# Altium PCB pay-optical-tls2591.PcbDoc (part 2 of 4) (continued)
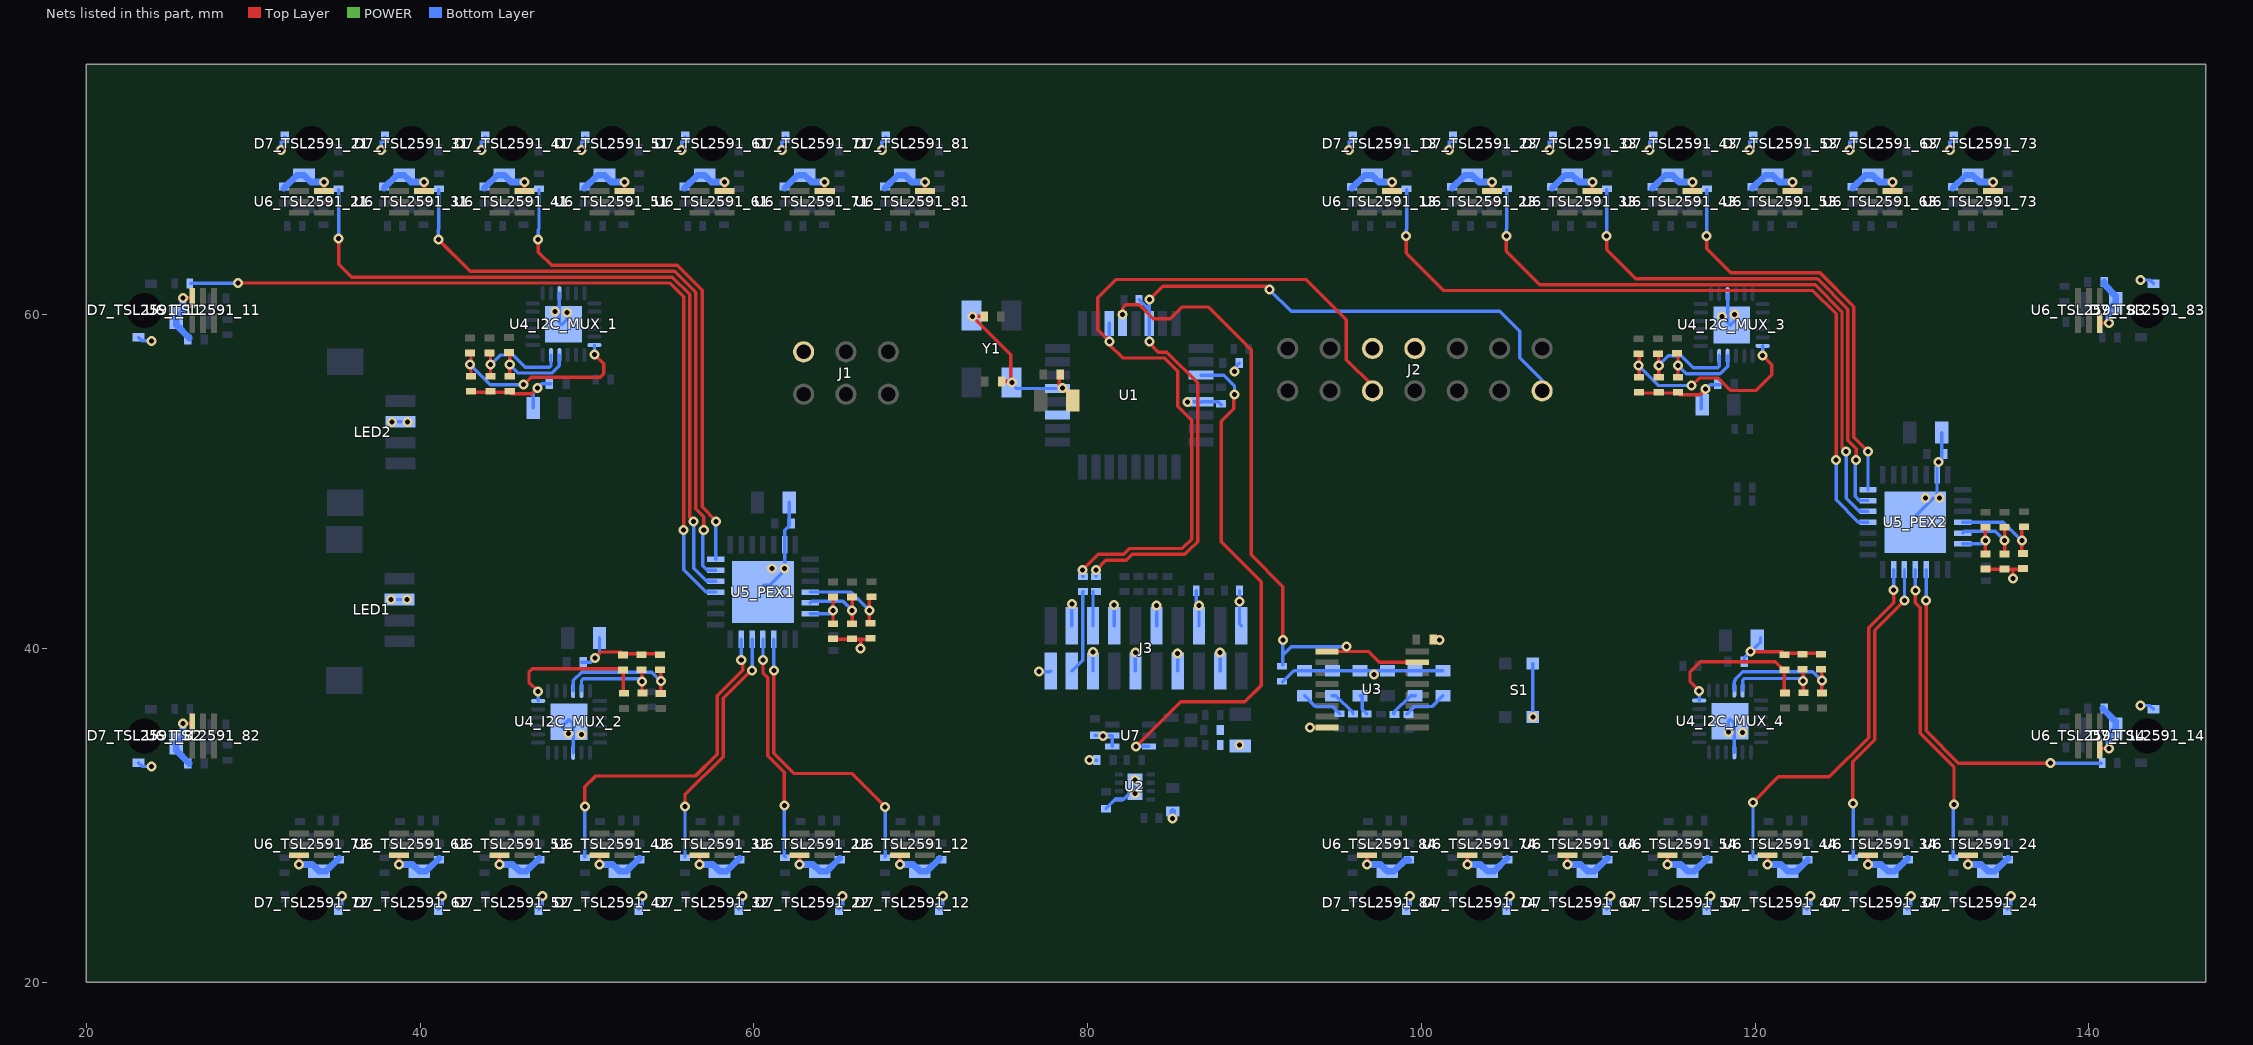
[diagram p4: the nets of this part, all layers, seen from the top]
## Nets (pads, with @x,y where several pads share a name; then routed paths per layer and width w, separated by ;. In a path a pad name is that pad's centre, name@x,y a point inside that pad or via, vN(x,y) a via of type N, cw(c..) or ccw(c..) an arc to the next point about the centre after c; other vN are vias at no path point)
A0_I2C_MUX_1: R41_I2C_MUX_1.1 R44_I2C_MUX_1.2 U4_I2C_MUX_1.22 | length 5.5
  Top Layer w0.2: R44_I2C_MUX_1.2@45.375,56.35 v1(45.375,57) 45.375,57.775 R41_I2C_MUX_1.1@45.4,57.8
  Bottom Layer w0.2: v1(45.375,57) 45.877,56.498 47.898,56.498 48.35,56.95 U4_I2C_MUX_1.22@48.35,57.574
A0_I2C_MUX_2: R41_I2C_MUX_2.1 R44_I2C_MUX_2.2 U4_I2C_MUX_2.22 | length 7.7
  Top Layer w0.2: R44_I2C_MUX_2.2@54.373,38.726 54.424,38.676 v1(54.424,38.038) R41_I2C_MUX_2.1@54.424,37.401
  Bottom Layer w0.2: U4_I2C_MUX_2.22@49.175,37.452 49.175,38.076 49.678,38.579 53.884,38.579 v1(54.424,38.038)
A0_I2C_MUX_3: R41_I2C_MUX_3.1 R44_I2C_MUX_3.2 U4_I2C_MUX_3.22 | length 5.5
  Top Layer w0.2: R44_I2C_MUX_3.2@115.375,56.303 v1(115.375,56.953) 115.375,57.728 R41_I2C_MUX_3.1@115.399,57.753
  Bottom Layer w0.2: v1(115.375,56.953) 115.877,56.451 117.898,56.451 118.349,56.903 U4_I2C_MUX_3.22@118.349,57.527
A0_I2C_MUX_4: R41_I2C_MUX_4.1 R44_I2C_MUX_4.2 U4_I2C_MUX_4.22 | length 7.7
  Top Layer w0.2: R44_I2C_MUX_4.2@123.948,38.75 123.999,38.7 v1(123.999,38.062) R41_I2C_MUX_4.1@123.999,37.425
  Bottom Layer w0.2: U4_I2C_MUX_4.22@118.75,37.475 118.75,38.019 118.802,38.071 118.802,38.152 119.252,38.602 123.459,38.602 v1(123.999,38.062)
A0_PEX1: R33_PEX1.1 R36_PEX1.2 U5_PEX1.11 | length 5.6
  Top Layer w0.2: R36_PEX1.2@66.996,41.551 66.925,41.622 v1(66.925,42.276) 66.925,42.93 R33_PEX1.1@67.046,43.051
  Bottom Layer w0.2: U5_PEX1.11@63.382,43.376 65.825,43.376 v1(66.925,42.276)
A0_PEX2: R33_PEX2.1 R36_PEX2.2 U5_PEX2.11 | length 5.6
  Top Layer w0.2: R36_PEX2.2@136.048,45.735 135.977,45.805 v1(135.977,46.46) 135.977,47.114 R33_PEX2.1@136.098,47.235
  Bottom Layer w0.2: U5_PEX2.11@132.434,47.56 134.877,47.56 v1(135.977,46.46)
A1_I2C_MUX_1: R40_I2C_MUX_1.1 R43_I2C_MUX_1.2 U4_I2C_MUX_1.23 | length 6.1
  Top Layer w0.2: R40_I2C_MUX_1.1@44.2,57.6 44.225,57.575 v1(44.225,57) R43_I2C_MUX_1.2@44.225,56.35
  Bottom Layer w0.2: v1(44.225,57) 44.8,57.574 45.582,57.574 45.928,57.229 45.928,57.225 46.3,56.852 47.752,56.852 47.85,56.95 U4_I2C_MUX_1.23@47.85,57.574
A1_I2C_MUX_2: R40_I2C_MUX_2.1 R43_I2C_MUX_2.2 U4_I2C_MUX_2.23 | length 5.6
  Top Layer w0.2: R43_I2C_MUX_2.2@53.3,38.676 v1(53.3,38.026) 53.3,37.451 R40_I2C_MUX_2.1@53.325,37.426
  Bottom Layer w0.2: U4_I2C_MUX_2.23@49.675,37.452 49.675,38.076 49.773,38.174 53.152,38.174 v1(53.3,38.026)
A1_I2C_MUX_3: R40_I2C_MUX_3.1 R43_I2C_MUX_3.2 U4_I2C_MUX_3.23 | length 6.1
  Top Layer w0.2: R40_I2C_MUX_3.1@114.199,57.553 114.225,57.528 v1(114.225,56.953) R43_I2C_MUX_3.2@114.225,56.303
  Bottom Layer w0.2: v1(114.225,56.953) 114.799,57.527 115.582,57.527 115.927,57.182 115.927,57.178 116.299,56.805 117.752,56.805 117.849,56.903 U4_I2C_MUX_3.23@117.849,57.527
A1_I2C_MUX_4: R40_I2C_MUX_4.1 R43_I2C_MUX_4.2 U4_I2C_MUX_4.23 | length 5.6
  Top Layer w0.2: R43_I2C_MUX_4.2@122.875,38.7 v1(122.875,38.05) 122.875,37.475 R40_I2C_MUX_4.1@122.9,37.45
  Bottom Layer w0.2: U4_I2C_MUX_4.23@119.25,37.475 119.25,38.1 119.347,38.197 122.727,38.197 v1(122.875,38.05)
A1_PEX1: R34_PEX1.1 R37_PEX1.2 U5_PEX1.12 | length 4.3
  Top Layer w0.2: R37_PEX1.2@65.896,41.526 v1(65.896,42.276) R34_PEX1.1@65.896,43.026
  Bottom Layer w0.2: U5_PEX1.12@63.382,42.726 63.484,42.828 65.344,42.828 v1(65.896,42.276)
A1_PEX2: R34_PEX2.1 R37_PEX2.2 U5_PEX2.12 | length 4.3
  Top Layer w0.2: R37_PEX2.2@134.948,45.709 v1(134.948,46.46) R34_PEX2.1@134.948,47.209
  Bottom Layer w0.2: U5_PEX2.12@132.434,46.91 132.536,47.012 134.396,47.012 v1(134.948,46.46)
A2_I2C_MUX_1: R39_I2C_MUX_1.1 R42_I2C_MUX_1.2 U4_I2C_MUX_1.18 | length 12
  Top Layer w0.2: R39_I2C_MUX_1.1@43,57.6 43.05,57.55 R42_I2C_MUX_1.2@43.05,56.35 ; v1(46.2,55.8) 46.65,56.25 50.169,56.25 50.171,56.248 50.798,56.248 50.999,56.449 50.999,57.051 v1(50.45,57.6)
  Bottom Layer w0.2: v1(43,57) 44.2,55.8 v1(46.2,55.8) ; v1(50.45,57.6) U4_I2C_MUX_1.18@50.45,58.175
A2_I2C_MUX_2: R39_I2C_MUX_2.1 R42_I2C_MUX_2.2 U4_I2C_MUX_2.18 | length 9.1
  Top Layer w0.2: v1(47.075,37.426) 46.527,37.975 46.527,38.577 46.728,38.779 47.354,38.779 47.356,38.776 52.05,38.776 52.175,38.651 52.175,37.401 R39_I2C_MUX_2.1@52.225,37.351
  Bottom Layer w0.2: U4_I2C_MUX_2.18@47.075,36.851 v1(47.075,37.426)
A2_I2C_MUX_3: R39_I2C_MUX_3.1 R42_I2C_MUX_3.2 U4_I2C_MUX_3.18 | length 12.6
  Top Layer w0.2: R39_I2C_MUX_3.1@112.999,57.553 113.05,57.503 R42_I2C_MUX_3.2@113.05,56.303 ; v1(116.2,55.753) 116.647,56.201 117.799,56.201 118.552,55.448 120.044,55.448 120.998,56.402 120.998,57.004 v1(120.45,57.553)
  Bottom Layer w0.2: v1(112.999,56.953) 114.199,55.753 v1(116.2,55.753) ; v1(120.45,57.553) U4_I2C_MUX_3.18@120.45,58.128
A2_I2C_MUX_4: R39_I2C_MUX_4.1 R42_I2C_MUX_4.2 U4_I2C_MUX_4.18 | length 9.4
  Top Layer w0.2: v1(116.649,37.45) 116.101,37.999 116.101,38.601 116.705,39.205 121.22,39.205 121.749,38.675 121.749,37.425 R39_I2C_MUX_4.1@121.8,37.375
  Bottom Layer w0.2: U4_I2C_MUX_4.18@116.649,36.875 v1(116.649,37.45)
A2_PEX1: R35_PEX1.1 R38_PEX1.2 U5_PEX1.13 | length 2.9
  Top Layer w0.2: R38_PEX1.2@64.746,41.526 v1(64.746,42.276) R35_PEX1.1@64.746,43.026
  Bottom Layer w0.2: U5_PEX1.13@63.382,42.076 64.546,42.076 v1(64.746,42.276)
A2_PEX2: R35_PEX2.1 R38_PEX2.2 U5_PEX2.13 | length 2.9
  Top Layer w0.2: R38_PEX2.2@133.798,45.709 v1(133.798,46.459) R35_PEX2.1@133.798,47.209
  Bottom Layer w0.2: U5_PEX2.13@132.434,46.26 133.598,46.26 v1(133.798,46.459)
BUF_EN_N: R7.2 U1.12 U3.1 U3.15 | length 39.7
  Top Layer w0.2: v1(82.1,60) 82.1,60.4 82.3,60.6 83.1,60.6 83.948,59.752 84.952,59.752 85.652,60.452 87.248,60.452 89.521,58.179 89.521,58.177 89.798,57.901 89.798,57.721 ; 89.8,57.6 89.798,57.602 ; v1(91.7,40.5) 91.7,43.7 89.798,45.602 89.798,57.602 ; U3.1@94.347,39.816 v1@95.5,39.816 ; v1(95.5,40.1) v1@95.5,39.816 ; U3.15@99.747,39.166 97.469,39.166 96.819,39.816 v1@95.5,39.816 ; 89.798,57.602 89.798,57.721 ; 89.798,57.602 89.8,57.605 89.8,57.719 89.798,57.721
  Bottom Layer w0.2: R7.2@91.7,39 91.7,39.6 ; v1(91.7,40.5) 91.7,39.6 ; v1(95.5,40.1) 92.2,40.1 91.7,39.6
CS_N: J2.13 R3.1 R17.2 U1.14 | length 51.8
  Top Layer w0.2: v1(80.506,44.696) 81.092,45.282 82.316,45.282 82.668,45.634 85.834,45.634 86.067,45.867 86.067,45.869 86.595,46.397 86.595,55.903 84.746,57.752 84.248,57.752 83.7,58.3 v1(83.7,58.4) ; v1(83.696,60.896) 84.5,61.7 90.7,61.7 v1(90.9,61.5)
  Bottom Layer w0.2: R17.2@80.506,44.303 v1(80.506,44.696) ; R3.1@83.1,60.9 83.696,60.304 ; v1(83.696,60.896) 83.696,60.304 ; v1(83.7,58.4) 83.696,58.404 U1.14@83.696,59.475 83.696,60.304 ; v1(90.9,61.5) 92.2,60.2 104.7,60.2 105.9,59 105.9,57.4 107.233,56.067 J2.13@107.233,55.43
CS_N_IN: J3.6 R17.1 | length 2.1
  Bottom Layer w0.2: R17.1@80.31,43.403 80.325,43.388 J3.6@80.325,41.359
CURR_SENSE: U1.19 U7.6 | length 31.4
  Top Layer w0.2: v1(82.905,34.129) 85.576,36.8 89.425,36.8 90.4,37.775 90.4,44 88.005,46.395 88.005,53.603 88.75,54.348 88.75,55.15 88.7,55.2 v1(88.8,55.2)
  Bottom Layer w0.2: v1(82.905,34.129) U7.6@83.682,34.129 ; U1.19@86.796,56.375 88.157,56.375 88.8,55.732 v1(88.8,55.2)
DATA_RDY: J2.5 R16.1 U1.11 | length 48.5
  Top Layer w0.2: v1(79.7,44.7) 80.634,45.634 82.17,45.634 82.522,45.986 85.686,45.986 86.243,46.543 86.243,53.657 85.4,54.5 85.4,56.6 84.6,57.4 82.1,57.4 81.3,58.2 v1(81.3,58.4) 80.6,59.1 80.6,61 81.7,62.1 93.1,62.1 95.5,59.7 95.5,57.3 97.073,55.727 J2.5@97.073,55.43
  Bottom Layer w0.2: v1(79.7,44.7) 79.7,44.341 R16.1@79.737,44.303 ; U1.11@81.296,59.475 81.296,58.304 81.3,58.309 v1(81.3,58.4)
DATA_RDY_IN: J3.3 R16.2 | length 5
  Bottom Layer w0.2: J3.3@79.055,38.641 79.7,39.286 79.7,43.366 R16.2@79.737,43.403
GND: C1.1 C2.1 C3.1 C4.1 C5.1 C6.1 C7.1 C9.1 C10_I2C_MUX_1.1 C10_I2C_MUX_2.1 C10_I2C_MUX_3.1 C10_I2C_MUX_4.1 C11_TSL2591_11.1 C11_TSL2591_12.1 C11_TSL2591_13.1 C11_TSL2591_14.1 C11_TSL2591_21.1 C11_TSL2591_22.1 C11_TSL2591_23.1 C11_TSL2591_24.1 C11_TSL2591_31.1 C11_TSL2591_32.1 C11_TSL2591_33.1 C11_TSL2591_34.1 C11_TSL2591_41.1 C11_TSL2591_42.1 C11_TSL2591_43.1 C11_TSL2591_44.1 C11_TSL2591_51.1 C11_TSL2591_52.1 C11_TSL2591_53.1 C11_TSL2591_54.1 C11_TSL2591_61.1 C11_TSL2591_62.1 C11_TSL2591_63.1 C11_TSL2591_64.1 C11_TSL2591_71.1 C11_TSL2591_72.1 C11_TSL2591_73.1 C11_TSL2591_74.1 C11_TSL2591_81.1 C11_TSL2591_82.1 C11_TSL2591_83.1 C11_TSL2591_84.1 C12_PEX1.1 C12_PEX2.1 C13_TSL2591_11.1 C13_TSL2591_12.1 C13_TSL2591_13.1 C13_TSL2591_14.1 C13_TSL2591_21.1 C13_TSL2591_22.1 C13_TSL2591_23.1 C13_TSL2591_24.1 C13_TSL2591_31.1 C13_TSL2591_32.1 C13_TSL2591_33.1 C13_TSL2591_34.1 C13_TSL2591_41.1 C13_TSL2591_42.1 C13_TSL2591_43.1 C13_TSL2591_44.1 C13_TSL2591_51.1 C13_TSL2591_52.1 C13_TSL2591_53.1 C13_TSL2591_54.1 C13_TSL2591_61.1 C13_TSL2591_62.1 C13_TSL2591_63.1 C13_TSL2591_64.1 C13_TSL2591_71.1 C13_TSL2591_72.1 C13_TSL2591_73.1 C13_TSL2591_74.1 C13_TSL2591_81.1 C13_TSL2591_82.1 C13_TSL2591_83.1 C13_TSL2591_84.1 C14_I2C_MUX_1.1 C14_I2C_MUX_2.1 C14_I2C_MUX_3.1 C14_I2C_MUX_4.1 C15_PEX1.1 C15_PEX2.1 C16.1 C17.1 C18.1 C19.1 C20.2 D1.2 D2.2 D3.2 D4.2 D5.2 D6.2 D7_TSL2591_11.2 D7_TSL2591_12.2 D7_TSL2591_13.2 D7_TSL2591_14.2 D7_TSL2591_21.2 D7_TSL2591_22.2 D7_TSL2591_23.2 D7_TSL2591_24.2 D7_TSL2591_31.2 D7_TSL2591_32.2 D7_TSL2591_33.2 D7_TSL2591_34.2 D7_TSL2591_41.2 D7_TSL2591_42.2 D7_TSL2591_43.2 D7_TSL2591_44.2 D7_TSL2591_51.2 D7_TSL2591_52.2 D7_TSL2591_53.2 D7_TSL2591_54.2 D7_TSL2591_61.2 D7_TSL2591_62.2 D7_TSL2591_63.2 D7_TSL2591_64.2 D7_TSL2591_71.2 D7_TSL2591_72.2 D7_TSL2591_73.2 D7_TSL2591_74.2 D7_TSL2591_81.2 D7_TSL2591_82.2 D7_TSL2591_83.2 D7_TSL2591_84.2 J1.6 J2.6 J2.8 J3.1 J3.4 J3.5 J3.8 J3.9 J3.12 J3.13 J3.16 J3.17 J3.20 LED1.2 LED2.2 R4.2 R5.2 R6.1 R7.1 R36_PEX1.1 R36_PEX2.1 R37_PEX1.1 R37_PEX2.1 R38_PEX1.1 R38_PEX2.1 R42_I2C_MUX_1.1 R42_I2C_MUX_2.1 R42_I2C_MUX_3.1 R42_I2C_MUX_4.1 R43_I2C_MUX_1.1 R43_I2C_MUX_2.1 R43_I2C_MUX_3.1 R43_I2C_MUX_4.1 R44_I2C_MUX_1.1 R44_I2C_MUX_2.1 R44_I2C_MUX_3.1 R44_I2C_MUX_4.1 S1.2 U1.3 U1.5 U1.21 U2.5 U2.9 U3.8 U4_I2C_MUX_1.9 U4_I2C_MUX_1.25 U4_I2C_MUX_2.9 U4_I2C_MUX_2.25 U4_I2C_MUX_3.9 U4_I2C_MUX_3.25 U4_I2C_MUX_4.9 U4_I2C_MUX_4.25 U5_PEX1.6 U5_PEX1.29 U5_PEX2.6 U5_PEX2.29 U6_TSL2591_11.3 U6_TSL2591_12.3 U6_TSL2591_13.3 U6_TSL2591_14.3 U6_TSL2591_21.3 U6_TSL2591_22.3 U6_TSL2591_23.3 U6_TSL2591_24.3 U6_TSL2591_31.3 U6_TSL2591_32.3 U6_TSL2591_33.3 U6_TSL2591_34.3 U6_TSL2591_41.3 U6_TSL2591_42.3 U6_TSL2591_43.3 U6_TSL2591_44.3 U6_TSL2591_51.3 U6_TSL2591_52.3 U6_TSL2591_53.3 U6_TSL2591_54.3 U6_TSL2591_61.3 U6_TSL2591_62.3 U6_TSL2591_63.3 U6_TSL2591_64.3 U6_TSL2591_71.3 U6_TSL2591_72.3 U6_TSL2591_73.3 U6_TSL2591_74.3 U6_TSL2591_81.3 U6_TSL2591_82.3 U6_TSL2591_83.3 U6_TSL2591_84.3 U7.1 U7.2 Y1.2 Y1.4 | length 247.9
  Top Layer w0.2: v1(25.8,35.5) U6_TSL2591_82.3@26.35,35.5 ; v1(25.8,61) U6_TSL2591_11.3@26.35,61 ; v1(32.75,27.05) U6_TSL2591_72.3@32.75,27.6 ; U6_TSL2591_21.3@34.25,67.4 v1(34.25,67.95) ; v1(38.75,27.05) U6_TSL2591_62.3@38.75,27.6 ; U6_TSL2591_31.3@40.25,67.4 v1(40.25,67.95) ; R42_I2C_MUX_1.1@43.05,55.35 45.375,55.35 45.477,55.248 46.696,55.248 v1(47.038,55.589) ; v1(44.75,27.05) U6_TSL2591_52.3@44.75,27.6 ; U6_TSL2591_41.3@46.25,67.4 v1(46.25,67.95) ; v1(50.488,39.437) 50.829,39.779 52.048,39.779 52.15,39.676 R44_I2C_MUX_2.1@54.475,39.676 ; v1(50.75,27.05) U6_TSL2591_42.3@50.75,27.6 ; U6_TSL2591_51.3@52.25,67.4 v1(52.25,67.95) ; v1(56.75,27.05) U6_TSL2591_32.3@56.75,27.6 ; U6_TSL2591_61.3@58.25,67.4 v1(58.25,67.95) ; v1(62.75,27.05) U6_TSL2591_22.3@62.75,27.6 ; U6_TSL2591_71.3@64.25,67.4 v1(64.25,67.95) ; R38_PEX1.1@64.746,40.526 64.771,40.551 66.4,40.551 ; v1(66.4,40) 66.4,40.551 ; R36_PEX1.1@66.996,40.551 66.4,40.551 ; v1(68.75,27.05) U6_TSL2591_12.3@68.75,27.6 ; U6_TSL2591_81.3@70.25,67.4 v1(70.25,67.95) ; C6.1@73.8,59.9 v1(73.09,59.9) 75.4,57.59 v1@75.4,55.94 ; C5.1@74.85,56 v1@75.3,56 ; C1.1@78.3,56.4 78.3,55.8 v1(78.5,55.6) 79.1,55 C2.1@79.1,54.9 ; v1(93.334,35.266) U3.8@94.347,35.266 ; v1(96.75,27.05) U6_TSL2591_84.3@96.75,27.6 ; U6_TSL2591_13.3@98.242,67.4 v1(98.242,67.95) ; C9.1@100.7,40.538 100.738,40.5 v1(101.1,40.5) ; v1(102.75,27.05) U6_TSL2591_74.3@102.75,27.6 ; U6_TSL2591_23.3@104.242,67.4 v1(104.242,67.95) ; v1(108.75,27.05) U6_TSL2591_64.3@108.75,27.6 ; U6_TSL2591_33.3@110.242,67.4 v1(110.242,67.95) ; R42_I2C_MUX_3.1@113.05,55.303 115.375,55.303 115.477,55.201 116.696,55.201 v1(117.037,55.542) ; v1(114.75,27.05) U6_TSL2591_54.3@114.75,27.6 ; U6_TSL2591_43.3@116.242,67.4 v1(116.242,67.95) ; v1(119.727,39.802) 121.622,39.802 121.725,39.7 R44_I2C_MUX_4.1@124.049,39.7 ; v1(120.75,27.05) U6_TSL2591_44.3@120.75,27.6 ; U6_TSL2591_53.3@122.242,67.4 v1(122.242,67.95) ; v1(126.75,27.05) U6_TSL2591_34.3@126.75,27.6 ; U6_TSL2591_63.3@128.242,67.4 v1(128.242,67.95) ; v1(132.75,27.05) U6_TSL2591_24.3@132.75,27.6 ; R38_PEX2.1@133.798,44.709 133.823,44.735 135.452,44.735 ; U6_TSL2591_73.3@134.242,67.4 v1(134.242,67.95) ; v1(135.452,44.184) 135.452,44.735 ; R36_PEX2.1@136.048,44.735 135.452,44.735 ; U6_TSL2591_14.3@140.65,34 v1(141.2,34) ; U6_TSL2591_83.3@140.65,59.499 v1(141.2,59.499)
  POWER w0.2: v1(23.901,32.925) 23.901,33.107 v1@23.922,33.128 ; v1(23.901,58.425) 23.901,58.607 v1@23.922,58.628 ; v1(31.675,69.849) 31.857,69.849 v1@31.878,69.828 ; v1@35.122,25.172 35.143,25.151 v1(35.325,25.151) ; v1(37.675,69.849) 37.857,69.849 v1@37.878,69.828 ; v1@41.122,25.172 41.143,25.151 v1(41.325,25.151) ; v1(43.675,69.849) 43.857,69.849 v1@43.878,69.828 ; v1@47.122,25.172 47.143,25.151 v1(47.325,25.151) ; v1(49.675,69.849) 49.857,69.849 v1@49.878,69.828 ; v1@53.122,25.172 53.143,25.151 v1(53.325,25.151) ; v1(55.675,69.849) 55.857,69.849 v1@55.878,69.828 ; v1@59.122,25.172 59.143,25.151 v1(59.325,25.151) ; v1(61.675,69.849) 61.857,69.849 v1@61.878,69.828 ; v1@65.122,25.172 65.143,25.151 v1(65.325,25.151) ; v1(67.675,69.849) 67.857,69.849 v1@67.878,69.828 ; v1@71.122,25.172 71.143,25.151 v1(71.325,25.151) ; v1(95.667,69.848) 95.849,69.848 v1@95.87,69.828 ; v1@99.122,25.172 99.143,25.151 v1(99.325,25.151) ; v1(101.667,69.848) 101.849,69.848 v1@101.87,69.828 ; v1@105.122,25.172 105.143,25.151 v1(105.325,25.151) ; v1(107.667,69.848) 107.849,69.848 v1@107.87,69.828 ; v1@111.122,25.172 111.143,25.151 v1(111.325,25.151) ; v1(113.667,69.848) 113.849,69.848 v1@113.87,69.828 ; v1@117.122,25.172 117.143,25.151 v1(117.325,25.151) ; v1(119.667,69.848) 119.849,69.848 v1@119.87,69.828 ; v1@123.122,25.172 123.143,25.151 v1(123.325,25.151) ; v1(125.667,69.848) 125.849,69.848 v1@125.87,69.828 ; v1@129.122,25.172 129.143,25.151 v1(129.325,25.151) ; v1(131.667,69.848) 131.849,69.848 v1@131.87,69.828 ; v1@135.122,25.172 135.143,25.151 v1(135.325,25.151) ; v1@143.078,36.372 143.099,36.393 v1(143.099,36.575) ; v1@143.078,61.871 143.099,61.892 v1(143.099,62.074)
  Bottom Layer w0.2: D7_TSL2591_82.2@23.125,33.15 23.35,32.925 v1(23.901,32.925) ; D7_TSL2591_11.2@23.125,58.65 23.35,58.425 v1(23.901,58.425) ; v1(31.675,69.849) 31.675,70.4 D7_TSL2591_21.2@31.9,70.625 ; D7_TSL2591_72.2@35.1,24.375 35.325,24.6 v1(35.325,25.151) ; v1(37.675,69.849) 37.675,70.4 D7_TSL2591_31.2@37.9,70.625 ; v1(38.25,42.925) LED1.2@38.763,42.925 v1(39.225,42.925) ; v1(38.325,53.575) LED2.2@38.818,53.575 v1(39.25,53.575) ; D7_TSL2591_62.2@41.1,24.375 41.325,24.6 v1(41.325,25.151) ; v1(43.675,69.849) 43.675,70.4 D7_TSL2591_41.2@43.9,70.625 ; C14_I2C_MUX_1.1@46.775,54.4 46.775,55.326 v1(47.038,55.589) 47.3,55.851 C10_I2C_MUX_1.1@47.75,55.851 C10_I2C_MUX_1.1@47.85,55.851 ; D7_TSL2591_52.2@47.1,24.375 47.325,24.6 v1(47.325,25.151) ; U4_I2C_MUX_1.9@48.35,61.275 48.35,59.55 48.5,59.4 48.8,59.7 v1(48.8,60.128) ; v1(48.9,34.9) 48.5,35.3 48.925,35.726 49.175,35.476 U4_I2C_MUX_2.9@49.175,33.751 ; v1(49.675,69.849) 49.675,70.4 D7_TSL2591_51.2@49.9,70.625 ; C10_I2C_MUX_2.1@49.676,39.175 C10_I2C_MUX_2.1@49.776,39.175 50.225,39.175 v1(50.488,39.437) 50.75,39.7 C14_I2C_MUX_2.1@50.75,40.627 ; D7_TSL2591_42.2@53.1,24.375 53.325,24.6 v1(53.325,25.151) ; v1(55.675,69.849) 55.675,70.4 D7_TSL2591_61.2@55.9,70.625 ; D7_TSL2591_32.2@59.1,24.375 59.325,24.6 v1(59.325,25.151) ; U5_PEX1.29@60.547,43.376 U5_PEX1.29@60.6,43.429 ; U5_PEX1.29@60.6,43.8 60.971,43.8 61.847,44.676 v1(61.847,44.8) U5_PEX1.6@61.847,46.211 61.847,47.077 62.121,47.351 C12_PEX1.1@62.121,48.747 ; v1(61.675,69.849) 61.675,70.4 D7_TSL2591_71.2@61.9,70.625 ; D7_TSL2591_22.2@65.1,24.375 65.325,24.6 v1(65.325,25.151) ; v1(67.675,69.849) 67.675,70.4 D7_TSL2591_81.2@67.9,70.625 ; D7_TSL2591_12.2@71.1,24.375 71.325,24.6 v1(71.325,25.151) ; Y1.4@75.4,55.9 75.725,55.575 U1.5@78.196,55.575 ; v1(77.1,38.6) 77.744,38.6 J3.1@77.785,38.641 ; J3.4@79.055,41.359 v1(79.055,42.655) ; v1(80.1,33.3) C18.1@80.55,33.3 ; J3.5@80.325,38.641 v1(80.325,39.775) ; C20.2@80.455,34.787 80.463,34.779 U7.2@81.482,34.779 U7.1@81.482,34.129 ; C19.1@81.1,30.4 81.65,30.95 U2.5@81.884,30.95 82.171,30.95 U2.9@82.677,31.456 ; J3.8@81.595,41.359 v1(81.595,42.595) ; v1(82.834,31.3) U2.9@82.834,31.7 ; J3.9@82.865,38.641 v1(82.865,39.765) ; J3.12@84.135,41.359 v1(84.135,42.565) ; v1(85.4,39.7) 85.4,39.89 85.405,39.895 J3.13@85.405,38.641 ; v1(86,54.775) 86.709,54.775 86.752,54.731 U1.21@86.796,54.775 87.825,54.775 C3.1@88,54.6 ; 86.5,43 86.503,43.003 ; R4.2@86.503,43.453 86.503,43.003 ; J3.16@86.675,41.359 v1(86.675,42.575) 86.503,42.747 86.503,43.003 ; J3.17@87.945,38.641 v1(87.945,39.745) ; v1(88.8,56.6) 88.8,56.8 C4.1@89.1,57.1 ; C17.1@89.1,34.15 v1(89.1,34.2) ; R5.2@89.103,43.454 v1(89.103,42.8) 89.103,41.471 J3.20@89.215,41.359 ; R7.1@91.7,38 92.366,38.666 D3.2@93.006,38.666 D2.2@94.663,38.666 D1.2@96.319,38.666 v1@97.148,38.666 ; v1(95.667,69.848) 95.667,70.4 D7_TSL2591_13.2@95.892,70.625 ; v1(97.148,38.433) v1@97.148,38.666 ; D7_TSL2591_84.2@99.1,24.375 99.325,24.6 v1(99.325,25.151) ; D4.2@101.29,38.666 D5.2@99.633,38.666 D6.2@97.976,38.666 v1@97.148,38.666 ; v1(101.667,69.848) 101.667,70.4 D7_TSL2591_23.2@101.892,70.625 ; D7_TSL2591_74.2@105.1,24.375 105.325,24.6 v1(105.325,25.151) ; v1(106.677,35.891) S1.2@106.677,39.091 ; v1(107.667,69.848) 107.667,70.4 D7_TSL2591_33.2@107.892,70.625 ; D7_TSL2591_64.2@111.1,24.375 111.325,24.6 v1(111.325,25.151) ; v1(113.667,69.848) 113.667,70.4 D7_TSL2591_43.2@113.892,70.625 ; C14_I2C_MUX_3.1@116.775,54.352 116.775,55.279 v1(117.037,55.542) 117.299,55.804 C10_I2C_MUX_3.1@117.849,55.804 ; D7_TSL2591_54.2@117.1,24.375 117.325,24.6 v1(117.325,25.151) ; U4_I2C_MUX_3.9@118.349,61.228 118.349,59.503 118.499,59.353 118.749,59.602 v1(118.749,60) ; v1(118.4,35) 118.4,35.65 118.5,35.75 118.75,35.5 U4_I2C_MUX_4.9@118.75,33.774 ; C10_I2C_MUX_4.1@119.35,39.199 119.35,39.425 v1(119.727,39.802) 120.324,40.399 C14_I2C_MUX_4.1@120.324,40.65 ; v1(119.667,69.848) 119.667,70.4 D7_TSL2591_53.2@119.892,70.625 ; D7_TSL2591_44.2@123.1,24.375 123.325,24.6 v1(123.325,25.151) ; v1(125.667,69.848) 125.667,70.4 D7_TSL2591_63.2@125.892,70.625 ; D7_TSL2591_34.2@129.1,24.375 129.325,24.6 v1(129.325,25.151) ; U5_PEX2.29@129.652,47.984 130.668,49 U5_PEX2.29@130.899,49 ; v1@130.899,50.961 U5_PEX2.6@130.899,50.395 U5_PEX2.29@130.899,49 ; v1(131.001,51.172) 131.001,51.133 v1@131.036,51.098 ; v1@131.056,51.118 131.173,51.235 C12_PEX2.1@131.173,52.93 ; v1(131.667,69.848) 131.667,70.4 D7_TSL2591_73.2@131.892,70.625 ; D7_TSL2591_24.2@135.1,24.375 135.325,24.6 v1(135.325,25.151) ; v1(143.099,36.575) 143.65,36.575 D7_TSL2591_14.2@143.875,36.35 ; v1(143.099,62.074) 143.65,62.074 D7_TSL2591_83.2@143.875,61.849 ; U5_PEX2.29@130.899,49 130.899,48.86 v1(131.039,49) U5_PEX2.29@130.899,49
  Bottom Layer w0.4: v1(25.8,35.5) 25.8,34.702 C11_TSL2591_82.1@25.399,34.301 25.399,33.876 C13_TSL2591_82.1@26.174,33.101 ; v1(25.8,61) 25.8,60.202 C11_TSL2591_11.1@25.399,59.801 25.399,59.376 C13_TSL2591_11.1@26.174,58.601 ; C13_TSL2591_21.1@31.851,67.576 32.626,68.351 C11_TSL2591_21.1@33.051,68.351 33.452,67.95 v1(34.25,67.95) ; v1(32.75,27.05) 33.548,27.05 C11_TSL2591_72.1@33.949,26.649 34.374,26.649 C13_TSL2591_72.1@35.149,27.425 ; C13_TSL2591_31.1@37.851,67.576 38.626,68.351 C11_TSL2591_31.1@39.051,68.351 39.452,67.95 v1(40.25,67.95) ; v1(38.75,27.05) 39.548,27.05 C11_TSL2591_62.1@39.949,26.649 40.374,26.649 C13_TSL2591_62.1@41.149,27.425 ; C13_TSL2591_41.1@43.851,67.576 44.626,68.351 C11_TSL2591_41.1@45.051,68.351 45.452,67.95 v1(46.25,67.95) ; v1(44.75,27.05) 45.548,27.05 C11_TSL2591_52.1@45.949,26.649 46.374,26.649 C13_TSL2591_52.1@47.149,27.425 ; C13_TSL2591_51.1@49.851,67.576 50.626,68.351 C11_TSL2591_51.1@51.051,68.351 51.452,67.95 v1(52.25,67.95) ; v1(50.75,27.05) 51.548,27.05 C11_TSL2591_42.1@51.949,26.649 52.374,26.649 C13_TSL2591_42.1@53.149,27.425 ; C13_TSL2591_61.1@55.851,67.576 56.626,68.351 C11_TSL2591_61.1@57.051,68.351 57.452,67.95 v1(58.25,67.95) ; v1(56.75,27.05) 57.548,27.05 C11_TSL2591_32.1@57.949,26.649 58.374,26.649 C13_TSL2591_32.1@59.149,27.425 ; C13_TSL2591_71.1@61.851,67.576 62.626,68.351 C11_TSL2591_71.1@63.051,68.351 63.452,67.95 v1(64.25,67.95) ; v1(62.75,27.05) 63.548,27.05 C11_TSL2591_22.1@63.949,26.649 64.374,26.649 C13_TSL2591_22.1@65.149,27.425 ; C13_TSL2591_81.1@67.851,67.576 68.626,68.351 C11_TSL2591_81.1@69.051,68.351 69.452,67.95 v1(70.25,67.95) ; v1(68.75,27.05) 69.548,27.05 C11_TSL2591_12.1@69.949,26.649 70.374,26.649 C13_TSL2591_12.1@71.149,27.425 ; v1(85.1,29.8) C16.1@85.1,30.232 ; C13_TSL2591_13.1@95.843,67.575 96.618,68.351 C11_TSL2591_13.1@97.043,68.351 97.444,67.95 v1(98.242,67.95) ; v1(96.75,27.05) 97.548,27.05 C11_TSL2591_84.1@97.949,26.649 98.374,26.649 99.049,27.324 C13_TSL2591_84.1@99.249,27.324 ; C13_TSL2591_23.1@101.843,67.575 102.618,68.351 C11_TSL2591_23.1@103.043,68.351 103.444,67.95 v1(104.242,67.95) ; v1(102.75,27.05) 103.548,27.05 C11_TSL2591_74.1@103.949,26.649 104.374,26.649 C13_TSL2591_74.1@105.149,27.424 ; C13_TSL2591_33.1@107.843,67.575 108.618,68.351 C11_TSL2591_33.1@109.043,68.351 109.444,67.95 v1(110.242,67.95) ; v1(108.75,27.05) 109.548,27.05 C11_TSL2591_64.1@109.949,26.649 110.374,26.649 C13_TSL2591_64.1@111.149,27.424 ; C13_TSL2591_43.1@113.843,67.575 114.618,68.351 C11_TSL2591_43.1@115.043,68.351 115.444,67.95 v1(116.242,67.95) ; v1(114.75,27.05) 115.548,27.05 C11_TSL2591_54.1@115.949,26.649 116.374,26.649 C13_TSL2591_54.1@117.149,27.424 ; C13_TSL2591_53.1@119.843,67.575 120.618,68.351 C11_TSL2591_53.1@121.043,68.351 121.444,67.95 v1(122.242,67.95) ; v1(120.75,27.05) 121.548,27.05 C11_TSL2591_44.1@121.949,26.649 122.474,26.649 C13_TSL2591_44.1@123.149,27.324 ; C13_TSL2591_63.1@125.843,67.575 126.618,68.351 C11_TSL2591_63.1@127.043,68.351 127.444,67.95 v1(128.242,67.95) ; v1(126.75,27.05) 127.548,27.05 C11_TSL2591_34.1@127.949,26.649 128.374,26.649 C13_TSL2591_34.1@129.149,27.424 ; C13_TSL2591_73.1@131.843,67.575 132.618,68.351 C11_TSL2591_73.1@133.043,68.351 133.444,67.95 v1(134.242,67.95) ; v1(132.75,27.05) 133.548,27.05 C11_TSL2591_24.1@133.949,26.649 134.374,26.649 C13_TSL2591_24.1@135.149,27.424 ; C13_TSL2591_14.1@140.826,36.399 141.601,35.624 C11_TSL2591_14.1@141.601,35.199 141.2,34.798 v1(141.2,34) ; C13_TSL2591_83.1@140.925,61.949 140.925,61.799 141.601,61.124 C11_TSL2591_83.1@141.601,60.698 141.2,60.297 v1(141.2,59.499)
  other v1: 82.834,32.1 80.925,34.75 49.675,34.851 119.25,34.953 61.1,44.799 130.2,49 75.46,55.94 118,59.9 48.1,60.175
LED1: D1.1 R8.1 | length 1.4
  Bottom Layer w0.2: D1.1@96.319,37.166 96.456,37.166 96.456,36.356 R8.1@96.746,36.066
LED1_SENS1: R24_TSL2591_11.1 U5_PEX1.25 | length 48.7
  Top Layer w0.2: v1(29.1,61.89) 54.979,61.89 55.8,61.07 v1(55.8,47.1)
  Bottom Layer w0.2: R24_TSL2591_11.1@26.258,61.875 29.085,61.875 v1(29.1,61.89) ; v1(55.8,47.1) 55.8,44.714 57.138,43.376 U5_PEX1.25@57.712,43.376
LED1_SENS2: R24_TSL2591_12.1 U5_PEX1.17 | length 17.8
  Top Layer w0.2: v1(61.197,38.68) 61.197,33.701 62.394,32.505 65.87,32.505 v1(67.875,30.5)
  Bottom Layer w0.2: v1(61.197,38.68) U5_PEX1.17@61.197,40.541 ; R24_TSL2591_12.1@67.875,27.509 v1(67.875,30.5)
LED1_SENS3: R24_TSL2591_13.1 U5_PEX2.25 | length 44.7
  Top Layer w0.2: v1(99.092,64.7) 99.092,63.691 101.34,61.443 123.449,61.443 124.852,60.039 v1(124.852,51.284)
  Bottom Layer w0.2: v1(99.092,64.7) 99.092,65.1 99.117,65.125 R24_TSL2591_13.1@99.117,67.491 ; v1(124.852,51.284) 124.852,48.898 126.19,47.56 U5_PEX2.25@126.764,47.56
LED1_SENS4: R24_TSL2591_14.1 U5_PEX2.17 | length 21
  Top Layer w0.2: v1(130.249,42.864) 130.249,35.049 132.174,33.125 v1(137.7,33.125)
  Bottom Layer w0.2: v1(130.249,42.864) U5_PEX2.17@130.249,44.725 ; v1(137.7,33.125) 138.375,33.125 R24_TSL2591_14.1@140.742,33.125
LED2: D2.1 R9.1 | length 1.7
  Bottom Layer w0.2: D2.1@94.663,37.166 94.881,37.166 95.904,36.142 R9.1@95.904,36.066
LED2_SENS1: R24_TSL2591_21.1 U5_PEX1.26 | length 44.4
  Top Layer w0.2: v1(35.125,64.547) 35.125,63.03 35.912,62.243 55.125,62.243 56.152,61.216 56.152,47.848 v1(56.4,47.6)
  Bottom Layer w0.2: v1(35.125,64.547) R24_TSL2591_21.1@35.125,67.492 ; v1(56.4,47.6) 56.4,44.799 57.173,44.026 U5_PEX1.26@57.712,44.026
LED2_SENS2: R24_TSL2591_22.1 U5_PEX1.18 | length 13.6
  Top Layer w0.2: v1(60.547,39.297) 60.547,38.549 60.845,38.252 60.845,33.555 61.828,32.572 v1(61.828,30.577)
  Bottom Layer w0.2: v1(60.547,39.297) U5_PEX1.18@60.547,40.541 ; v1(61.828,30.577) 61.828,27.555 R24_TSL2591_22.1@61.875,27.509
LED2_SENS3: R24_TSL2591_23.1 U5_PEX2.26 | length 38.2
  Top Layer w0.2: v1(105.092,64.7) 105.092,63.808 107.105,61.795 123.595,61.795 125.204,60.185 125.204,52.031 v1(125.452,51.784)
  Bottom Layer w0.2: v1(105.092,64.7) 105.092,65.1 105.117,65.125 R24_TSL2591_23.1@105.117,67.491 ; v1(125.452,51.784) 125.452,48.983 126.225,48.21 U5_PEX2.26@126.764,48.21
LED2_SENS4: R24_TSL2591_24.1 U5_PEX2.18 | length 18.2
  Top Layer w0.2: v1(129.599,43.481) 129.599,42.733 129.897,42.435 129.897,34.903 131.917,32.883 v1(131.917,30.632)
  Bottom Layer w0.2: v1(129.599,43.481) U5_PEX2.18@129.599,44.725 ; R24_TSL2591_24.1@131.875,27.508 131.875,30.59 v1(131.917,30.632)
LED3: D3.1 R10.1 | length 2.6
  Bottom Layer w0.2: D3.1@93.006,37.166 93.655,36.517 94.7,36.517 95.123,36.094 R10.1@95.123,36.066
LED3_SENS1: R24_TSL2591_31.1 U5_PEX1.27 | length 37.2
  Top Layer w0.2: v1(41.1,64.5) 43.005,62.595 55.271,62.595 56.521,61.345 56.521,48.355 57,47.876 v1(57,47.1)
  Bottom Layer w0.2: v1(41.1,64.5) 41.1,65.1 41.125,65.125 R24_TSL2591_31.1@41.125,67.492 ; v1(57,47.1) 56.94,47.04 56.94,44.943 56.937,44.94 57.201,44.676 U5_PEX1.27@57.712,44.676
LED3_SENS2: R24_TSL2591_32.1 U5_PEX1.19 | length 14.7
  Top Layer w0.2: v1(55.875,30.525) 55.875,31.223 58.16,33.508 58.16,37.011 58.944,37.795 58.949,37.795 59.834,38.68 v1(59.897,38.68)
  Bottom Layer w0.2: R24_TSL2591_32.1@55.875,27.509 v1(55.875,30.525) ; v1(59.897,38.68) U5_PEX1.19@59.897,40.541
LED3_SENS3: R24_TSL2591_33.1 U5_PEX2.27 | length 31.9
  Top Layer w0.2: v1(111.1,64.7) 111.1,63.9 112.852,62.148 123.741,62.148 125.557,60.331 125.557,52.46 126.052,51.965 v1(126.052,51.284)
  Bottom Layer w0.2: v1(111.1,64.7) 111.1,65.108 111.117,65.125 R24_TSL2591_33.1@111.117,67.491 ; v1(126.052,51.284) 125.992,51.223 125.992,49.126 125.989,49.124 126.253,48.86 U5_PEX2.27@126.764,48.86
LED3_SENS4: R24_TSL2591_34.1 U5_PEX2.19 | length 18.6
  Top Layer w0.2: v1(125.85,30.7) 125.85,33.203 127.159,34.512 127.159,41.074 v1(128.949,42.864) v1@128.886,42.864
  Bottom Layer w0.2: v1(125.85,30.7) 125.875,30.675 R24_TSL2591_34.1@125.875,27.508 ; v1(128.949,42.864) U5_PEX2.19@128.949,44.725
LED4: D4.1 R11.1 | length 2.6
  Bottom Layer w0.2: R11.1@99.111,36.067 99.561,36.517 100.641,36.517 D4.1@101.29,37.166
LED4_SENS1: R24_TSL2591_41.1 U5_PEX1.28 | length 31
  Top Layer w0.2: v1(47.075,64.5) 47.075,63.751 47.878,62.948 55.417,62.948 56.9,61.465 56.9,48.474 57.725,47.649 v1(57.725,47.6)
  Bottom Layer w0.2: v1(47.075,64.5) 47.075,65.075 47.125,65.125 R24_TSL2591_41.1@47.125,67.492 ; U5_PEX1.28@57.712,45.326 57.712,47.587 v1(57.725,47.6)
LED4_SENS2: R24_TSL2591_42.1 U5_PEX1.20 | length 20.5
  Top Layer w0.2: v1(49.875,30.524) 49.875,31.7 50.527,32.352 56.506,32.352 57.807,33.654 57.807,37.157 58.798,38.148 58.803,38.148 59.345,38.69 59.345,39.202 v1(59.247,39.3)
  Bottom Layer w0.2: R24_TSL2591_42.1@49.875,27.509 v1(49.875,30.524) ; v1(59.247,39.3) U5_PEX1.20@59.247,40.541
LED4_SENS3: R24_TSL2591_43.1 U5_PEX2.28 | length 25.1
  Top Layer w0.2: v1(117.092,64.7) 117.092,63.954 118.546,62.5 123.887,62.5 125.909,60.477 125.909,52.652 v1(126.777,51.784)
  Bottom Layer w0.2: v1(117.092,64.7) 117.092,67.466 R24_TSL2591_43.1@117.117,67.491 ; U5_PEX2.28@126.764,49.51 126.764,51.771 v1(126.777,51.784)
LED4_SENS4: R24_TSL2591_44.1 U5_PEX2.20 | length 22.6
  Top Layer w0.2: v1(119.874,30.775) 121.399,32.3 124.448,32.3 126.807,34.658 126.807,41.239 128.299,42.731 v1(128.299,43.484) v1@128.397,43.386
  Bottom Layer w0.2: 119.874,29.875 v1(119.874,30.775) ; R24_TSL2591_44.1@119.875,27.508 119.875,29.875 ; v1(128.299,43.484) U5_PEX2.20@128.299,44.725
LED5: D5.1 R12.1 | length 1.8
  Bottom Layer w0.2: R12.1@98.354,36.067 98.354,36.167 99.353,37.166 D5.1@99.633,37.166